# Altium PCB dcb_v2.PcbDoc (part 1 of 2) (continued)
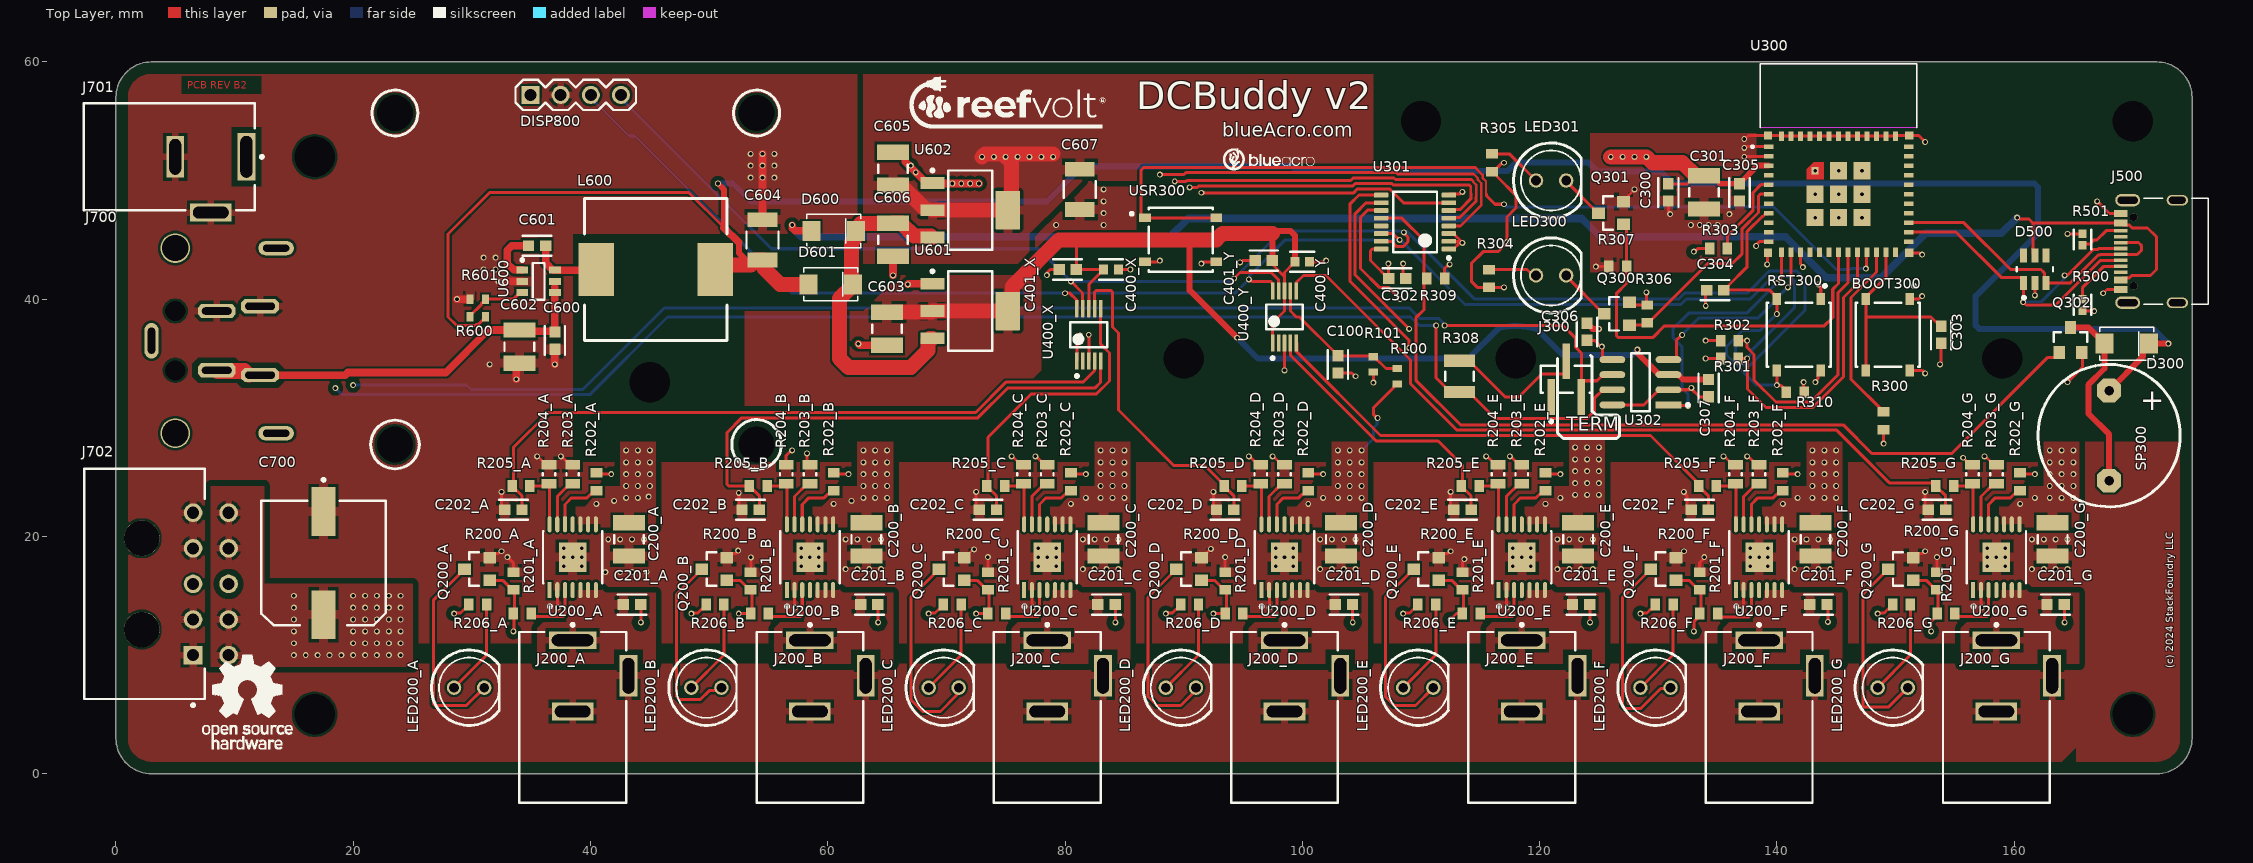
[diagram p0: Top Layer view]
## Components (designator, comment, footprint, x,y, rotation, side; value= is the part's Value field where it differs from the comment) (continued)
D601 "SS14" SMA 60.25,41.25 r180 top
DISP800 "OLED_1_3_CARRIERBOARD" OLED_1_3_CARRIERBOARD-Footprint-1 34.95,57.214 r0 top
J200_A "PJ-0XX" CUI-PJ-002A_V 38.5,8.25 r270 top (schematic designator J200)
J200_B "PJ-0XX" CUI-PJ-002A_V 58.5,8.25 r270 top (schematic designator J200)
J200_C "PJ-0XX" CUI-PJ-002A_V 78.5,8.25 r270 top (schematic designator J200)
J200_D "PJ-0XX" CUI-PJ-002A_V 98.5,8.25 r270 top (schematic designator J200)
J200_E "PJ-0XX" CUI-PJ-002A_V 118.5,8.25 r270 top (schematic designator J200)
J200_F "PJ-0XX" CUI-PJ-002A_V 138.5,8.25 r270 top (schematic designator J200)
J200_G "PJ-0XX" CUI-PJ-002A_V 158.5,8.25 r270 top (schematic designator J200)
J300 "M50-3630342R" FP-M50-3630342R-MFG 122.25,33.25 r0 top
J500 "10155435-00011LF" AMPHENOL_10155435-00011LF 173.75,44.021 r90 top
J700 "DIN4PWR" PD40S 3,36.5 r90 top
J701 "PJ-0XX" CUI-PJ-002A_V 8,52 r180 top
J702 "43045-1001" FP-43045-1001-MFG 2.535,16 r270 top
L600 "SRR1260-680M" SRR1260-680M-Footprint-1 45.5,42.5 r0 top value=110MR
LED200_A "LED_INDICATOR" LED5MM 31.04,7.25 r0 top (schematic designator LED200)
LED200_B "LED_INDICATOR" LED5MM 51.04,7.25 r0 top (schematic designator LED200)
LED200_C "LED_INDICATOR" LED5MM 71.04,7.25 r0 top (schematic designator LED200)
LED200_D "LED_INDICATOR" LED5MM 91.04,7.25 r0 top (schematic designator LED200)
LED200_E "LED_INDICATOR" LED5MM 111.04,7.25 r0 top (schematic designator LED200)
LED200_F "LED_INDICATOR" LED5MM 131.04,7.25 r0 top (schematic designator LED200)
LED200_G "LED_INDICATOR" LED5MM 151.04,7.25 r0 top (schematic designator LED200)
LED300 "LED_INDICATOR" LED5MM 122.24,42 r0 top
LED301 "LED_INDICATOR" LED5MM 122.24,50 r0 top
Q200_A "NFET" SOT23-3 30.5,17.25 r90 top (schematic designator Q200)
Q200_B "NFET" SOT23-3 50.5,17.25 r90 top (schematic designator Q200)
Q200_C "NFET" SOT23-3 70.5,17.25 r90 top (schematic designator Q200)
Q200_D "NFET" SOT23-3 90.5,17.25 r90 top (schematic designator Q200)
Q200_E "NFET" SOT23-3 110.5,17.25 r90 top (schematic designator Q200)
Q200_F "NFET" SOT23-3 130.5,17.25 r90 top (schematic designator Q200)
Q200_G "NFET" SOT23-3 150.5,17.25 r90 top (schematic designator Q200)
Q300 "NFET" SOT23-3 126.579,38.758 r90 top
Q301 "NFET" SOT23-3 126.079,47.258 r90 top
Q302 "NFET" SOT23-3 164.75,36.5 r0 top
R100 "100k 0603 1%" RESC1608-IPC-LL 108,33.5 r270 top value=100k
R101 "12k 0603 1%" RESC1608X55X25LL10T15 106,34.5 r90 top value=12kR
R200_A "10K 0603 1%" RESC1608-IPC-ML 33.5,16.25 r90 top value=10k (schematic designator R200)
R200_B "10K 0603 1%" RESC1608-IPC-ML 53.5,16.25 r90 top value=10k (schematic designator R200)
R200_C "10K 0603 1%" RESC1608-IPC-ML 73.5,16.25 r90 top value=10k (schematic designator R200)
R200_D "10K 0603 1%" RESC1608-IPC-ML 93.5,16.25 r90 top value=10k (schematic designator R200)
R200_E "10K 0603 1%" RESC1608-IPC-ML 113.5,16.25 r90 top value=10k (schematic designator R200)
R200_F "10K 0603 1%" RESC1608-IPC-ML 133.5,16.25 r90 top value=10k (schematic designator R200)
R200_G "10K 0603 1%" RESC1608-IPC-ML 153.5,16.25 r90 top value=10k (schematic designator R200)
R201_A "4.7k 0603 1%" RESC1608-IPC-ML 34.25,13.5 r0 top (schematic designator R201)
R201_B "4.7k 0603 1%" RESC1608-IPC-ML 54.25,13.5 r0 top (schematic designator R201)
R201_C "4.7k 0603 1%" RESC1608-IPC-ML 74.25,13.5 r0 top (schematic designator R201)
R201_D "4.7k 0603 1%" RESC1608-IPC-ML 94.25,13.5 r0 top (schematic designator R201)
R201_E "4.7k 0603 1%" RESC1608-IPC-ML 114.25,13.5 r0 top (schematic designator R201)
R201_F "4.7k 0603 1%" RESC1608-IPC-ML 134.25,13.5 r0 top (schematic designator R201)
R201_G "4.7k 0603 1%" RESC1608-IPC-ML 154.25,13.5 r0 top (schematic designator R201)
R202_A "4.7k 0603 1%" RESC1608-IPC-ML 40.5,24.6 r270 top (schematic designator R202)
R202_B "4.7k 0603 1%" RESC1608-IPC-ML 60.5,24.6 r270 top (schematic designator R202)
R202_C "4.7k 0603 1%" RESC1608-IPC-ML 80.5,24.6 r270 top (schematic designator R202)
R202_D "4.7k 0603 1%" RESC1608-IPC-ML 100.5,24.6 r270 top (schematic designator R202)
R202_E "4.7k 0603 1%" RESC1608-IPC-ML 120.5,24.6 r270 top (schematic designator R202)
R202_F "4.7k 0603 1%" RESC1608-IPC-ML 140.5,24.6 r270 top (schematic designator R202)
R202_G "4.7k 0603 1%" RESC1608-IPC-ML 160.5,24.6 r270 top (schematic designator R202)
R203_A "RC0805FR-07470RL" RESC2013X60X35LL10T20 38.5,25.25 r270 top value=470R (schematic designator R203)
R203_B "RC0805FR-07470RL" RESC2013X60X35LL10T20 58.5,25.25 r270 top value=470R (schematic designator R203)
R203_C "RC0805FR-07470RL" RESC2013X60X35LL10T20 78.5,25.25 r270 top value=470R (schematic designator R203)
R203_D "RC0805FR-07470RL" RESC2013X60X35LL10T20 98.5,25.25 r270 top value=470R (schematic designator R203)
R203_E "RC0805FR-07470RL" RESC2013X60X35LL10T20 118.5,25.25 r270 top value=470R (schematic designator R203)
R203_F "RC0805FR-07470RL" RESC2013X60X35LL10T20 138.5,25.25 r270 top value=470R (schematic designator R203)
R203_G "RC0805FR-07470RL" RESC2013X60X35LL10T20 158.5,25.25 r270 top value=470R (schematic designator R203)
R204_A "RC0805FR-07470RL" RESC2013X60X35LL10T20 36.5,25.25 r270 top value=470R (schematic designator R204)
R204_B "RC0805FR-07470RL" RESC2013X60X35LL10T20 56.5,25.25 r270 top value=470R (schematic designator R204)
R204_C "RC0805FR-07470RL" RESC2013X60X35LL10T20 76.5,25.25 r270 top value=470R (schematic designator R204)
R204_D "RC0805FR-07470RL" RESC2013X60X35LL10T20 96.5,25.25 r270 top value=470R (schematic designator R204)
R204_E "RC0805FR-07470RL" RESC2013X60X35LL10T20 116.5,25.25 r270 top value=470R (schematic designator R204)
R204_F "RC0805FR-07470RL" RESC2013X60X35LL10T20 136.5,25.25 r270 top value=470R (schematic designator R204)
R204_G "RC0805FR-07470RL" RESC2013X60X35LL10T20 156.5,25.25 r270 top value=470R (schematic designator R204)
R205_A "4.7k 0603 1%" RESC1608-IPC-ML 34.15,24.25 r180 top (schematic designator R205)
R205_B "4.7k 0603 1%" RESC1608-IPC-ML 54.15,24.25 r180 top (schematic designator R205)
R205_C "4.7k 0603 1%" RESC1608-IPC-ML 74.15,24.25 r180 top (schematic designator R205)
R205_D "4.7k 0603 1%" RESC1608-IPC-ML 94.15,24.25 r180 top (schematic designator R205)
R205_E "4.7k 0603 1%" RESC1608-IPC-ML 114.15,24.25 r180 top (schematic designator R205)
R205_F "4.7k 0603 1%" RESC1608-IPC-ML 134.15,24.25 r180 top (schematic designator R205)
R205_G "4.7k 0603 1%" RESC1608-IPC-ML 154.15,24.25 r180 top (schematic designator R205)
R206_A "220R 0603 5%" RESC1608-IPC-ML 30.5,14.25 r180 top value=220 (schematic designator R206)
R206_B "220R 0603 5%" RESC1608-IPC-ML 50.5,14.25 r180 top value=220 (schematic designator R206)
R206_C "220R 0603 5%" RESC1608-IPC-ML 70.5,14.25 r180 top value=220 (schematic designator R206)
R206_D "220R 0603 5%" RESC1608-IPC-ML 90.5,14.25 r180 top value=220 (schematic designator R206)
R206_E "220R 0603 5%" RESC1608-IPC-ML 110.5,14.25 r180 top value=220 (schematic designator R206)
R206_F "220R 0603 5%" RESC1608-IPC-ML 130.5,14.25 r180 top value=220 (schematic designator R206)
R206_G "220R 0603 5%" RESC1608-IPC-ML 150.5,14.25 r180 top value=220 (schematic designator R206)
R300 "10K 0603 1%" RESC1608-IPC-ML 149,29.75 r270 top value=10k
R301 "10K 0603 1%" RESC1608-IPC-ML 136,35 r180 top value=10k
R302 "10K 0603 1%" RESC1608-IPC-ML 136,36.5 r180 top value=10k
R303 "10K 0603 1%" RESC1608-IPC-ML 135.079,44.258 r180 top value=10k
R304 "220R 0603 5%" RESC1608-IPC-ML 115.75,41.75 r270 top value=220
R305 "220R 0603 5%" RESC1608-IPC-ML 116,51.5 r270 top value=220
R306 "10K 0603 1%" RESC1608-IPC-ML 129.079,38.758 r270 top value=10k
R307 "10K 0603 1%" RESC1608-IPC-ML 126.579,42.758 r0 top value=10k
R308 "120R 1210 5%" RESC3225X70X50LL20T20 113.25,33.5 r270 top value=120R
R309 "10K 0603 1%" RESC1608-IPC-ML 111.25,41.75 r180 top value=10k
R310 "10K 0603 1%" RESC1608-IPC-ML 141.56,32.153 r0 top value=10k
R500 "AC0402FR-075K1L" FP-AC0402-IPC_A 165.75,39.521 r90 top value=5.1kR
R501 "AC0402FR-075K1L" FP-AC0402-IPC_A 165.75,45.021 r270 top value=5.1kR
R600 "100k 0603 1%" RESC1608-IPC-LL 30.5,38.5 r0 top
R601 "12k 0603 1%" RESC1608X55X25LL10T15 30.5,40 r0 top value=12kR
RST300 "PTS526SK15SMTR2LFS" FP-PTS526SK15SMTR2LFS-MFG 141.85,37 r270 top
SP300 "WST-1212UX" WST-1212UX-Footprint-1 168,28.5 r0 top
U200_A "TPS1H100BQPWPRQ1" FP-PWP0014C-IPC_C 38.5,18.25 r90 top (schematic designator U200)
U200_B "TPS1H100BQPWPRQ1" FP-PWP0014C-IPC_C 58.5,18.25 r90 top (schematic designator U200)
U200_C "TPS1H100BQPWPRQ1" FP-PWP0014C-IPC_C 78.5,18.25 r90 top (schematic designator U200)
U200_D "TPS1H100BQPWPRQ1" FP-PWP0014C-IPC_C 98.5,18.25 r90 top (schematic designator U200)
U200_E "TPS1H100BQPWPRQ1" FP-PWP0014C-IPC_C 118.5,18.25 r90 top (schematic designator U200)
U200_F "TPS1H100BQPWPRQ1" FP-PWP0014C-IPC_C 138.5,18.25 r90 top (schematic designator U200)
U200_G "TPS1H100BQPWPRQ1" FP-PWP0014C-IPC_C 158.5,18.25 r90 top (schematic designator U200)
U300 "ESP32-C3-MINI-1-N4" XCVR_ESP32-C3-MINI-1-N4 145.2,51.55 r0 top
U301 "PCA9554APW" PW0016A_L 109.5,46.5 r180 top
U302 "TCAN1044VDRQ1" FP-D0008A-IPC_B 128.5,33 r180 top
U400_X "ADS1115IDGSR" FP-DGS0010A-MFG 82,37 r90 top (schematic designator U400)
U400_Y "ADS1115IDGSR" FP-DGS0010A-MFG 98.5,38.5 r90 top (schematic designator U400)
U600 "LMR51610XFDBVR" SOT95P280X145-6N 35.625,41.5 r0 top
U601 "LM1117MPX-5.0" DCY0004A_M 72,39 r0 top
U602 "LM1117IMP-3.3/NOPB" DCY0004A_M 72,47.5 r0 top
USR300 "PTS526SK15SMTR2LFS" FP-PTS526SK15SMTR2LFS-MFG 89.75,45 r0 top

## Footprints (in the part's own frame and the unit in brackets; to place one, negate y for a bottom-side part, rotate by r counter-clockwise, add the part's x,y. Pads: shape width x height; smd on the part's side, far side on the other; paste and mask are expansions set on the pad)
AMPHENOL_10155435-00011LF [mm]
  rect 0.6x1.14 smd: A1_B12(-3.2,4.75) A4_B9(-2.4,4.75) B1_A12(3.2,4.75) B4_A9(2.4,4.75)
  rect 0.3x1.14 smd: A5(-1.25,4.75) A6(-0.25,4.75) A7(0.25,4.75) A8(1.25,4.75) B5(1.75,4.75) B6(0.75,4.75) B7(-0.75,4.75) B8(-1.75,4.75)
  oval 1.05x2.1 hole 0.6 slot 1.7 at 90 deg: SH1(-4.32,4.18) SH2(4.32,4.18)
  oval 0.9x1.8 hole 0.6 slot 1.4 at 90 deg: SH3(-4.32,0) SH4(4.32,0)
  round 0.65 hole 0.65 unplated: ""(-2.89,3.68) ""(2.89,3.68)
  silkscreen extent -4.47,-2.6 4.47,2.81, body extent -4.47,-2.6 4.47,5, height 3.26
CAPC3225X20N [mm] "Chip Capacitor, 2-Leads, Body 3.20x2.50mm, IPC Medium Density"
  rect 1.3x2.7 smd: 1(-1.4,0) 2(1.4,0)
  silkscreen extent -0.35,-1.25 0.35,1.25, body extent -1.7,-1.35 1.7,1.35, height 2
CUI-PJ-002A_V [mm] "THD, 3-Leads, Body 14.4x9mm, Height 11mm"
  rect 1.5x4 hole 1 slot 3.5 at 90 deg: 1(-3,0)
  rect 1.5x3.5 hole 1 slot 3 at 90 deg: 2(3,0)
  rect 3.5x1.5 hole 1 slot 3 at 0 deg: 3(0,4.7)
  silkscreen extent -4.42,-4.5 10.7,4.5, body extent -3.7,-4.5 10.7,4.9, height 11
DCY0004A_M [mm] "SOT223, 4-Leads, Body 6.7x3.7mm, Pitch 2.3mm, IPC Low Density"
  rrect10% 2.05x1 smd: 1(-3.175,2.3) 2(-3.175,0) 3(-3.175,-2.3)
  rrect5% 2.05x3.25 smd: 4(3.175,0)
  silkscreen extent -3.3,-3.35 1.85,3.47, body extent -3.5,-3.25 3.5,3.25, height 1.62
FP-1210-L_3_2_0_3-W_2_5_0-MFG [mm]
  rect 1.25x2.5 smd paste+0 mask+0: 1(-1.7,0) 2(1.7,0)
  silkscreen extent -0.7,-1.35 0.7,1.35, body extent -2.42,-1.45 2.42,1.45, height 0.25
FP-43045-1001-MFG [mm]
  rect 1.57x1.57 hole 1.02 paste-2539.97 mask+0: 1(6,3.965)
  round 1.57 hole 1.02 paste-2539.97 mask+0: 2(3,3.965) 3(0,3.965) 4(-3,3.965) 5(-6,3.965) 6(6,6.965) 7(3,6.965) 8(0,6.965) 9(-3,6.965) 10(-6,6.965)
  round 3 hole 3 unplated paste-2539.97 mask+0: ""(-3.85,-0.355) ""(3.85,-0.355)
  silkscreen extent -9.7,-5.21 10.35,4.95, body extent -9.8,-5.31 9.8,7.85, height 0.25
FP-AC0402-IPC_A [mm]
  rect 0.715x0.672 smd paste+0 mask+0: 1(-0.479,0) 2(0.479,0)
  silkscreen extent -0.84,-0.74 0.84,0.74, body extent -1.04,-0.54 1.04,0.54, height 0.25
FP-CL10-IPC_B [mm]
  rect 0.958x0.912 smd paste+0 mask+0: 1(-0.727,0) 2(0.727,0)
  silkscreen extent -1.21,-0.86 1.21,0.86, body extent -1.46,-0.71 1.46,0.71, height 0.25
FP-CL10-IPC_C [mm]
  rect 0.758x0.812 smd paste+0 mask+0: 1(-0.627,0) 2(0.627,0)
  silkscreen extent -1.01,-0.85 1.01,0.85, body extent -1.11,-0.55 1.11,0.55, height 0.25
FP-D0008A-IPC_B [mm]
  rect 2.169x0.582 smd paste+0 mask+0: 1(-2.364,1.905)
  rrect100% 2.169x0.582 smd paste+0 mask+0: 2(-2.364,0.635) 3(-2.364,-0.635) 4(-2.364,-1.905) 5(2.364,-1.905) 6(2.364,-0.635) 7(2.364,0.635) 8(2.364,1.905)
  silkscreen extent -4.12,-2.45 0.78,2.45, body extent -3.7,-2.7 3.7,2.7, height 0.25
FP-DGS0010A-MFG [mm]
  rrect33% 1.45x0.3 smd paste+0 mask+0: 1(-2.2,1) 2(-2.2,0.5) 3(-2.2,0) 4(-2.2,-0.5) 5(-2.2,-1) 6(2.2,-1) 7(2.2,-0.5) 8(2.2,0) 9(2.2,0.5) 10(2.2,1)
  silkscreen extent -3.6,-1.55 1.05,1.55, body extent -3.03,-1.8 3.03,1.8, height 0.25
FP-FKG-MFG [mm]
  rect 4.1x2 smd paste+0 mask+0: 1(-4.35,0) 2(4.35,0)
  silkscreen extent -7.15,-5.25 5.25,5.25, body extent -6.5,-5.35 6.5,5.35, height 0.25
FP-M50-3630342R-MFG [mm]
  rect 0.65x3 smd paste+0 mask+0: 1(-1.27,-1.5) 2(0,1.5) 3(1.27,-1.5)
  silkscreen extent -2.15,-3.67 2.15,1.15, body extent -2.25,-3.1 2.25,3.1, height 0.25
FP-PTS526SK15SMTR2LFS-MFG [mm]
  rect 1x0.7 smd paste+0 mask+0: 1(-3,1.85) 2(3,1.85) 3(-3,-1.85) 4(3,-1.85)
  silkscreen extent -4.25,-2.7 2.7,2.7, body extent -3.6,-2.8 3.6,2.8, height 0.25
FP-PWP0014C-IPC_C [mm]
  rect 1.355x0.341 smd paste+0 mask+0: 1(-2.775,1.95)
  rrect100% 1.355x0.341 smd paste+0 mask+0: 2(-2.775,1.3) 3(-2.775,0.65) 4(-2.775,0) 5(-2.775,-0.65) 6(-2.775,-1.3) 7(-2.775,-1.95) 8(2.775,-1.95) 9(2.775,-1.3) 10(2.775,-0.65) 11(2.775,0) 12(2.775,0.65) 13(2.775,1.3) 14(2.775,1.95)
  rect 2.46x2.31 smd paste-1000 mask+0: 15(0,0)
  silkscreen extent -4.28,-2.5 2.2,2.5, body extent -3.55,-2.6 3.55,2.6, height 0.25
FP-SOT23-6L-MFG [mm]
  rect 1.2x0.6 smd paste+0 mask+0: 1(-1.15,0.95) 2(-1.15,0) 3(-1.15,-0.95) 4(1.15,-0.95) 5(1.15,0) 6(1.15,0.95)
  silkscreen extent -2.52,-1.53 0.18,1.53, body extent -1.85,-1.63 1.85,1.63, height 0.25
LED5MM [mil]
  round 48 hole 32: A(-100,0) C(0,0)
  silkscreen extent -175,-125 50,125, body extent -172,-114 44,122, height 335
OLED_1_3_CARRIERBOARD-Footprint-1 [mil]
  rect 60x60 hole 40: 1(0,0)
  round 60 hole 40: 2(100,0) 3(200,0) 4(300,0)
  round 0 hole 120 unplated paste-99999: ""(-450,-1160) ""(-450,-60) ""(750,-1160) ""(750,-60)
  silkscreen extent -531,-1242 832,50, body extent -552,-1263 852,60, height 563
PD40S [mm]
  oct 1.2x3.2 hole 0.6 slot 2.5 at 90 deg: 1(2.9,-9.15) 2(-2.9,-9.15) 3(2.5,-5.5) 4(-2.5,-5.5)
  oval 1.2x3 hole 0.6 slot 2.2 at 90 deg: SHLD(-7.8,-10.5) SHLD(7.8,-10.5)
  oval 3x1.2 hole 0.6 slot 2.2 at 0 deg: SHLD(0,0)
  round 2.5 hole 2.2 unplated: ""(-7.8,-2) ""(7.8,-2)
  round 0 hole 1.7 unplated: ""(-2.5,-2) ""(2.5,-2)
  body extent -7.9,-11.8 8.1,5.6, height 15.01
PW0016A_L [mm] "SOP, 16-Leads, Body 5.1x4.5mm, Pitch 0.65mm, IPC High Density"
  rrect25% 1.2x0.4 smd: 1(-2.85,2.275) 2(-2.85,1.625) 3(-2.85,0.975) 4(-2.85,0.325) 5(-2.85,-0.325) 6(-2.85,-0.975) 7(-2.85,-1.625) 8(-2.85,-2.275) 9(2.85,-2.275) 10(2.85,-1.625) 11(2.85,-0.975) 12(2.85,-0.325) 13(2.85,0.325) 14(2.85,0.975) 15(2.85,1.625) 16(2.85,2.275)
  silkscreen extent -2.98,-2.55 1.85,3.15, body extent -3.21,-2.5 3.21,2.5, height 1
RESC1608-IPC-LL [mm] "Chip Resistor, 2-Leads, Body 1.60x0.80mm, IPC High Density"
  rect 0.6x0.8 smd: 1(-0.65,0) 2(0.65,0)
  body extent -0.8,-0.4 0.8,0.4, height 0.45
RESC1608-IPC-ML [mm] "Chip Resistor, 2-Leads, Body 1.60x0.80mm, IPC Low Density"
  rect 0.8x1 smd: 1(-0.75,0) 2(0.75,0)
  body extent -0.8,-0.4 0.8,0.4, height 0.45
RESC1608X55X25LL10T15 [mm] "Chip Resistor, 2-Leads, Body 1.70x0.90mm, IPC High Density"
  rect 0.6x0.8 smd: 1(-0.65,0) 2(0.65,0)
  body extent -0.85,-0.45 0.85,0.45, height 0.55
RESC2013X60X35LL10T20 [mm] "Chip Resistor, 2-Leads, Body 2.1x1.35mm, IPC High Density"
  rect 0.8x1.25 smd: 1(-0.8,0) 2(0.8,0)
  silkscreen extent -0.1,-0.53 0.1,0.53, body extent -1.05,-0.67 1.05,0.68, height 0.6
RESC3225X70X50LL20T20 [mm] "Chip Resistor, 2-Leads, Body 3.20x2.50mm, IPC High Density"
  rect 1.05x2.6 smd: 1(-1.325,0) 2(1.325,0)
  silkscreen extent -0.4,-1.2 0.4,1.2, body extent -1.7,-1.35 1.7,1.35, height 0.7
SMA [mil]
  rect 60x66 smd: A(74,0) K(-74,0)
  silkscreen extent -90,-55 90,55, body extent -108,-55 108,55, height 91
SOT23-3 [mil]
  rect 38x42 smd: 1(-37.4,-39.37) 2(38,-39.37) 3(0,44)
  silkscreen extent -55,-4 56,28, body extent -57,-50 57,60, height 51
SOT95P280X145-6N [mm] "SOT23, 6-Leads, Body 2.90x2.80mm, Pitch 0.95mm, IPC Medium Density"
  rect 1x0.6 smd: 1(-1.375,0.95) 2(-1.375,0) 3(-1.375,-0.95) 4(1.375,-0.95) 5(1.375,0) 6(1.375,0.95)
  silkscreen extent -1.5,-1.55 0.5,1.92, body extent -1.5,-1.53 1.5,1.53, height 1.45
SRR1260-680M-Footprint-1 [mm]
  rect 3x4.5 smd: 1(-5,0) 2(5,0)
  silkscreen extent -6,-6 6,6, body extent -6.25,-6.25 6.25,6.25, height 6.01
WST-1212UX-Footprint-1 [mm]
  oct 2x2 hole 0.8: +(0,3.8) -(0,-3.8)
  silkscreen extent -6,-6 6,6, body extent -5.98,-6 6,6, height 7.51
XCVR_ESP32-C3-MINI-1-N4 [mm]
  rect 0.8x0.4 smd: 1(-5.9,1.3) 2(-5.9,0.5) 3(-5.9,-0.3) 4(-5.9,-1.1) 5(-5.9,-1.9) 6(-5.9,-2.7) 7(-5.9,-3.5) 8(-5.9,-4.3) 9(-5.9,-5.1) 10(-5.9,-5.9) 11(-5.9,-6.7) 25(5.9,-6.7) 26(5.9,-5.9) 27(5.9,-5.1) 28(5.9,-4.3) 29(5.9,-3.5) 30(5.9,-2.7) 31(5.9,-1.9) 32(5.9,-1.1) 33(5.9,-0.3) 34(5.9,0.5) 35(5.9,1.3)
  rect 0.4x0.8 smd: 12(-4.8,-7.6) 13(-4,-7.6) 14(-3.2,-7.6) 15(-2.4,-7.6) 16(-1.6,-7.6) 17(-0.8,-7.6) 18(0,-7.6) 19(0.8,-7.6) 20(1.6,-7.6) 21(2.4,-7.6) 22(3.2,-7.6) 23(4,-7.6) 24(4.8,-7.6) 36(4.8,2.2) 37(4,2.2) 38(3.2,2.2) 39(2.4,2.2) 40(1.6,2.2) 41(0.8,2.2) 42(0,2.2) 43(-0.8,2.2) 44(-1.6,2.2) 45(-2.4,2.2) 46(-3.2,2.2) 47(-4,2.2) 48(-4.8,2.2)
  rect 0.6x0.6 smd paste-1 mask+0: 49_1(-1.975,-0.725)
  rect 1.45x1.45 smd: 49_2(0,-0.725) 49_3(1.975,-0.725) 49_4(1.975,-2.7) 49_5(1.975,-4.675) 49_6(0,-4.675) 49_7(-1.975,-4.675) 49_8(-1.975,-2.7) 49_9(0,-2.7)
  rect 0.7x0.7 smd: 50(5.95,2.25) 51(5.95,-7.65) 52(-5.95,-7.65) 53(-5.95,2.25)
  Top Layer region: -1.25,-1.45 -2.7,-1.45 -2.7,-0.6 -2.1,0 -1.25,0
  Keep-Out Layer region: 6.6,2.9 -6.6,2.9 -6.6,8.3 6.6,8.3
  Keep-Out Layer region: 6.6,2.9 -6.6,2.9 -6.6,8.3 6.6,8.3
  silkscreen extent -7.35,1.2 6.6,8.3, body extent -6.6,-8.3 6.6,8.3, height 2.55

## Part data
BOOT300 RST300 USR300: library part CMP-011-00015-1, "Switch Tactile N.O. SPST Round Button Gull Wing 0.05A 12VDC 200000Cycles 2.45N SMD T/R", Contact Current Rating=50mA, Contact Resistance=100mR, Max Operating Temperature=70°C, Min Operating Temperature=-20°C, Operating Force=260gf, Ratings=IP40, Voltage Rating (DC)=12V, Actuator Type=Standard, Height=1.65mm, Illumination Type=Non-Illuminated, Mechanical Life=200000Cycles, Mounting Technology="Surface Mount", Number of Positions=2, Series=PTS526, Switch Function=Off-Mom, Switch Travel=0.25mm, Termination="Gull Wing", Throw Configuration=SPST
C100 C302 C304: library part CMP-001-00085-7, "Cap Ceramic 1uF 10V X7R 10% SMD 0603 125C Paper T/R"
C200_A C200_B C200_C C200_D C200_E C200_F C200_G C301 C602 C603 C605 C606: library part CMP-001-00083-3, "CAP CER 4.7UF 50V X7R 1210", Capacitance=4.7uF, Case Code (Imperial)=1210, Case Code (Metric)=3225, Dielectric=X7R, Max Operating Temperature=125°C, Min Operating Temperature=-55°C, Package Quantity=1, Tolerance=10%, Voltage=50V, Case/Package=1210, Contact Plating=Tin, Depth=2.5mm, Height=1.8mm, Lead Free="Lead Free", Length=3.2mm, Material=Ceramic, Mount="Surface Mount", Packaging="Tape and Reel", Radiation Hardening=No, Thickness=0.079inch, Voltage Rating=50V, Width=0.098inch
C201_A C201_B C201_C C201_D C201_E C201_F C201_G C202_A C202_B C202_C C202_D C202_E C202_F C202_G C300 C303 C305 C306 C307 C401_X C401_Y C600 C601: library part CMP-001-00084-7, "Cap Ceramic 0.1uF 50V X7R 20% SMD 0603 125C Paper T/R", Voltage=50V
C400_X C400_Y: library part CMP-001-00101-4, "Cap Ceramic 4.7uF 6.3V X7R 10% SMD 0603 125°C Paper T/R"
C604 C607: library part CMP-001-00125-1, "1210 22 uF 25 V ±20% Tolerance X7R Multilayer Ceramic Chip Capacitor", Case Code (Imperial)=1210, Case Code (Metric)=3225, Max Operating Temperature=125°C, Min Operating Temperature=-55°C, Tolerance=20%, Voltage Rating=25V, Case/Package=1210, Mounting Technology="Surface Mount", Packaging="Tape and Reel", RoHS Compliant=Yes, Series=M
C700: library part CMP-001-00124-1, "Cap Aluminum 56uF 63V 20% (10 X 10.2mm) SMD 0.03 Ohm 1800mA 5000h 105 C Embossed T/R", Case/Package=Radial, ESR (Equivalent Series Resistance)=30mR, Leakage Current=3uA, Max Operating Temperature=105°C, Min Operating Temperature=-55°C, Package Quantity=500, Ratings=AEC-Q200, Ripple Current=1.8A, Tolerance=20%, Voltage=63V, Construction=Cylindrical, Diameter=10mm, Height=10.2mm, Lead Diameter=0.9mm, Lead Free="Lead Free", Lead Pitch=4.6mm, Length=10.2mm, Life (Hours)=5000Hour, Material=Polymer, Mounting Technology="Surface Mount,PCB", Packaging="Tape and Reel", Radiation Hardening=No, Reach SVHC Compliant=No, Ripple Current (AC)=1.8A, RoHS Compliant=Yes, Series=ZA, Technology=HYBRID, Termination=SMD/SMT, Voltage Rating=63V, Voltage Rating (DC)=63V
D300 D600 D601: library part CMP-080-0002-2, Design Item ID=DIODE_SCHOTTKY, Source=diode.SCHLIB
D500: library part CMP-004-00040-1, "ESD Suppressor 15KV 6-Pin SOT-23 T/R - Product that comes on tape, but is not reeled", Breakdown Voltage=6V, Case/Package=SOT-23, Clamping Voltage=17V, Leakage Current=150nA, Max Breakdown Voltage=10V, Max Operating Temperature=125°C, Max Reverse Leakage Current=2uA, Min Operating Temperature=-40°C, Operating Supply Voltage=860mV, Peak Pulse Current=5A, Power Line Protection=Yes, Reverse Standoff Voltage=5V, Test Current=1mA, Clamping Voltage-Max=17V, Depth=1.75mm, Direction=Unidirectional, ESD Protection=Yes, Height=1.3mm, Lead Free="Lead Free", Length=3.05mm, Min Breakdown Voltage=6V, Mounting Technology="Surface Mount", Number of Channels=4, Number of Elements=1, Number of Unidirectional Channels=4, Packaging="Tape and Reel", Pins=6, Polarity=Unidirectional,Bidirectional, Radiation Hardening=No, Reach SVHC Compliant=No, Reverse Breakdown Voltage=6V, RoHS Compliant=Yes, Series=USB, Termination=SMD/SMT, Voltage Rating (DC)=5V, Width=1.75mm, Working Voltage=5V
DISP800: library part CMP-00028-00008-2, "Use 4 pin header 0901471104 on board"
J200_A J200_B J200_C J200_D J200_E J200_F J200_G J701: library part CMP-167-0003-2, "2.0 x 6.5 mm, 2.5 A, Horizontal, Through Hole, Dc Power Jack Connector", Design Item ID=PJ-0XX, Source=con-jack.SCHLIB
J300: library part CMP-002-00105-2, "3 Pos. Male SIL Vertical SMT Conn. RoHS Compliant: Yes", Current Rating=1A, Flammability Rating="UL94 V-0", Insulation Color=Black, Max Operating Temperature=105°C, Min Operating Temperature=-40°C, Connector Type=Header, Contact Finish - Mating=GOLD, Contact Material=Brass, Contact Shape=Square, Contact Type="Male Pin", Fastening Type=Pull, Insulation Material=Nylon, Mounting Technology="Surface Mount", Number of Positions=3, Number of Rows=1, Packaging="Cut Tape", RoHS Compliant=Yes, Series="Archer M50", Termination=Solder
J500: library part CMP-243-000000-3, "16 Position 5 A USB Right Angle Receptacle Connector", Package=None, Availability=Unavailable, Component Type=Standard, Design Item ID=10155435-00011LF, MF="Amphenol ICC (FCI)", MP=10155435-00011LF, Pin Count=16, Price=None, Source=10155435-00011LF.SchLib
J700: library part CMP-167-0005-1, Design Item ID=DIN4PWR, Source=con-jack.SCHLIB
J702: library part CMP-002-00106-1, "Connector Wire to Board Header 10 Position 3 mm Solder Right Angle Thru-Hole Micro-Fit 3.0™", Case/Package=SMC, Color=Black, Current Rating=5A, Flammability Rating="UL94 V-0", Insulation Resistance=1GR, Manufacturer Series=43045, Package Quantity=1224, Voltage Rating=600V, Voltage Rating (DC)=250V, Connector Type=Plug, Contact Material=Brass, Contact Plating=Gold, DIN Conformance=No, Gender=Male, Glow Wire Compliant=Compliant, Halogen Free="Low Halogen", Housing Material=Thermoplastic, IEC Conformance=No, MIL Conformance=No, Number of Circuits=10, Number of Contacts=10, Number of Positions=10, Number of Rows=2, Option="General Purpose", Orientation="Right Angle", Packaging=Tray, Pitch=3mm, Plating=Tin, Radiation Hardening=No, Reach SVHC Compliant=No, RoHS Compliant=Yes, Row Spacing=3mm, Series="Micro-Fit 3.0", Termination="Through Hole"
L600: library part CMP-006-00034-1, "Ind Power Shielded Wirewound 68uH 20% 100KHz 22Q-Factor Ferrite 2.1A T/R", Case/Package=1260, Current Rating=2.1A, DC Resistance (DCR)=110mR, Frequency=7.43MHz, Inductance Tolerance=20%, Max Operating Temperature=125°C, Min Operating Temperature=-40°C, Package Quantity=600, Test Frequency=100kHz, Core Material=Ferrite, DC Current=2.1A, Depth=12.8mm, Height=6mm, Height - Seated (Max)=0.256inch, Length=12.5mm, Material=Steel, Max DC Current=2.1A, Military Standard=Not, Mounting Technology="Surface Mount", Packaging="Tape and Reel", Pins=2, Q Factor=22, Reach SVHC Compliant=No, RMS Current (Irms)=2.1A, RoHS Compliant=Yes, Sample Rate (Hz)=100kHz, Saturation Current=2.1A, Self Resonant Frequency=7.43MHz, Series=SRR1260, Shielding=Shielded, Termination=SMD/SMT, Tolerance=20%, Width=12.5mm
LED200_A LED200_B LED200_C LED200_D LED200_E LED200_F LED200_G LED300 LED301: library part CMP-130-0003-6, Design Item ID=LED_INDICATOR, Source=led.SchLib
Q200_A Q200_B Q200_C Q200_D Q200_E Q200_F Q200_G Q300 Q301 Q302: library part CMP-094-0000-1, Design Item ID=NFET, Source=fet.SchLib
R100: library part CMP-009-00222-1, "SMD Chip Resistor, 100 kOhm, ± 1%, 100 mW, 0603 [1608 Metric], Thick Film, General Purpose", Case Code (Imperial)=0603, Case Code (Metric)=1608, Resistance Tolerance=1%, Voltage Rating=50V, Case/Package=0603, Height=0.45mm, Tolerance=1%, Width=0.8mm
R101 R601: library part CMP-009-00236-1, "SMD Chip Resistor, 12 kOhm, ± 1%, 100 mW, 0603 [1608 Metric], Thick Film, General Purpose", Case Code (Imperial)=0603, Case Code (Metric)=1608, Max Operating Temperature=155°C, Max Power Dissipation=100mW, Min Operating Temperature=-55°C, Resistance Tolerance=1%, Resistor Type="Thick Film", Temperature Coefficient=100ppm/°C, Voltage Rating=50V, Case/Package=0603, Construction=Rectangular, Depth=0.8mm, Features="Moisture Resistant", Lead Free="Lead Free", Length=1.6mm, Military Standard=Not, Number of Terminations=2, Packaging="Tape and Reel", Pins=2, Power Rating=100mW, Reach SVHC Compliant=No, RoHS Compliant=Yes, Series=RC, Termination=SMD/SMT, Tolerance=1%, Voltage Rating (DC)=50V, Width=0.8mm
R200_A R200_B R200_C R200_D R200_E R200_F R200_G R300 R301 R302 R303 R306 R307 R309 R310: library part CMP-009-00191-4, "Res General Purpose Thick Film 0603 10K Ohm 1% 1/10W ±100ppm/°C Molded SMD Paper T/R"
R201_A R201_B R201_C R201_D R201_E R201_F R201_G R202_A R202_B R202_C R202_D R202_E R202_F R202_G R205_A R205_B R205_C R205_D R205_E R205_F R205_G: library part CMP-009-00205-1, "RES SMD 4.7K OHM 1% 1/10W 0603"
R203_A R203_B R203_C R203_D R203_E R203_F R203_G R204_A R204_B R204_C R204_D R204_E R204_F R204_G: library part CMP-009-00233-1, "SMD Chip Resistor, 470 Ohm, ± 1%, 125 mW, 0805 [2012 Metric], Thick Film, General Purpose", Case Code (Imperial)=0805, Case Code (Metric)=2012, Max Operating Temperature=155°C, Max Power Dissipation=125mW, Min Operating Temperature=-55°C, Package Quantity=5000, Resistance Tolerance=1%, Resistor Type="Thick Film", Temperature Coefficient=100ppm/°C, Voltage Rating=150V, Case/Package=0805, Construction=Rectangular, Depth=1.25mm, Features="Moisture Resistant", Height=0.5mm, Lead Free="Lead Free", Lead Pitch=0.4mm, Length=2mm, Number of Terminations=2, Packaging="Tape and Reel", Pins=2, Power Rating=125mW, Reach SVHC Compliant=Unknown, RoHS Compliant=Yes, Series=RC, Termination=SMD/SMT, Tolerance=1%, Voltage Rating (AC)=150V, Voltage Rating (DC)=150V, Width=1.25mm
R206_A R206_B R206_C R206_D R206_E R206_F R206_G R304 R305: library part CMP-009-00183-3, "YAGEO - RC0603JR-07220RL - SMD Chip Resistor, 0603 [1608 Metric], 220 ohm, RC Series, 75 V, Thick Film, 100 mW", Case Code (Imperial)=0603, Case Code (Metric)=1608, Max Operating Temperature=155°C, Min Operating Temperature=-55°C, Power Rating=100mW, Resistance=220R, Resistor Type="Thick Film", Temperature Coefficient=100ppm/°C, Tolerance=5%, Voltage Rating=50V, Working Voltage=75V, Case/Package=0603, Depth=0.8mm, Lead Free="Lead Free", Length=1.6mm, Military Standard=Not, Number of Pins=2, Number of Terminations=2, Packaging="Tape and Reel", REACH SVHC="No SVHC", Termination=SMD/SMT, Voltage Rating (DC)=50V, Width=0.8mm
R308: library part CMP-009-00240-1, "SMD Chip Resistor, 120 Ohm, ± 5%, 500 mW, 1210 [3225 Metric], Thick Film, General Purpose", Case Code (Imperial)=1210, Case Code (Metric)=3225, Max Operating Temperature=155°C, Max Power Dissipation=500mW, Min Operating Temperature=-55°C, Package Quantity=1, Resistance Tolerance=5%, Resistor Type="Thick Film", Temperature Coefficient=200ppm/°C, Voltage Rating=200V, Case/Package=1210, Construction=Rectangular, Contact Plating=Tin, Depth=2.5mm, Features="Automotive AEC-Q200", Height=0.6mm, Length=3.2mm, Military Standard=Not, Mounting Technology="Surface Mount", Number of Terminations=2, Packaging="Tape and Reel", Power Rating=500mW, Radiation Hardening=No, Reach SVHC Compliant=No, RoHS Compliant=Yes, Series=ERJ, Technology="THICK FILM", Termination=SMD/SMT, Tolerance=5%, Voltage Rating (DC)=200V, Width=2.5mm
R500 R501: library part CMP-009-00234-1, "SMD Chip Resistor, 5.1 kOhm, ± 1%, 63 mW, 0402 [1005 Metric], Thick Film, General Purpose", Case Code (Imperial)=0402, Case Code (Metric)=1005, Max Operating Temperature=155°C, Max Power Dissipation=63mW, Min Operating Temperature=-55°C, Temperature Coefficient=100ppm/°C, Tolerance=1%, Voltage Rating=50V, Case/Package=0402, Features="Moisture Resistant,Automotive AEC-Q200", Height=0.015inch, Lead Free="Lead Free", Length=0.039inch, Mounting Technology="Surface Mount", Number of Terminations=2, Packaging="Cut Tape", Power Rating=63mW, RoHS Compliant=Yes, Series=AC, Width=0.02inch
R600: library part CMP-009-00203-1, "Res Thick Film 1.6 x 0.8 mm 100K Ohm 1% 0.1W(1/10W) 100ppm/ C Molded SMD Paper T/R"
SP300: library part CMP-00027-00003-3, "Audio Magnetic Xdcr 9-15V Th", Frequency=2.3kHz, Max Operating Temperature=60°C, Min Operating Temperature=-20°C, Mounting Technology="Through Hole"
U200_A U200_B U200_C U200_D U200_E U200_F U200_G: library part CMP-024-00009-1, "Current Limit SW 1-IN 1-OUT 5V to 40V 4A Automotive 14-Pin HTSSOP EP T/R", Case/Package=HTSSOP, Max Operating Temperature=125°C, Max Output current=4A, Max Supply Voltage=40V, Min Operating Temperature=-40°C, Min Supply Voltage=3.5V, Fault Protection="Over Temperature", Height=1.2mm, Interface=On/Off, Lead Free="Lead Free", Length=5mm, Number of Channels=1, Number of Outputs=1, Output Configuration="High Side", Packaging="Cut Tape", Pins=14, RoHS Compliant=Yes, Series="Automotive, AEC-Q100", Thickness=1mm, Width=4.4mm
U300: library part CMP-206-000000-1, "Bluetooth, WiFi 802.11b/g/n, Bluetooth v5.0 Transceiver Module 2.412GHz ~ 2.484GHz PCB Trace Surface Mount", Package="SMD-53 Espressif Systems", Availability="In Stock", Check_prices=https://www.snapeda.com/parts/ESP32-C3-MINI-1-N4/Espressif+Systems/view-part/?ref=eda, Component Type=Standard, Design Item ID=ESP32-C3-MINI-1-N4, MF="Espressif Systems", MP=ESP32-C3-MINI-1-N4, Pin Count=61, Price=None, Purchase-URL=https://pricing.snapeda.com/search/part/ESP32-C3-MINI-1-N4/?ref=eda, SnapEDA_Link=https://www.snapeda.com/parts/ESP32-C3-MINI-1-N4/Espressif+Systems/view-part/?ref=snap, Source=ESP32-C3-MINI-1-N4.SchLib
U301: library part CMP-015-00016-1, "I2C/SMBus Interface 100kHz/400kHz 5.5V 16-Pin TSSOP Tube / IC I/O EXPANDER I2C 8B 16TSSOP", Case/Package=TSSOP, Clock Frequency=400kHz, Max Operating Temperature=85°C, Min Operating Temperature=-40°C, Operating Supply Current=104uA, Operating Supply Voltage=5.5V, Frequency=400kHz, Height=1.2mm, Lead Free="Lead Free", Length=5mm, Number of I/Os=8, Number of Outputs=8, Output Type=PUSH-PULL, Packaging=Rail/Tube, Pins=16, Radiation Hardening=No, RoHS Compliant=Yes, Series=-, Thickness=1mm, Weight=0.002183oz, Width=4.4mm
U302: library part CMP-015-00017-1, "R-PDSO-G8 TCAN1044 Tape & Reel (TR) CAN interface transceiver 100mV 4.905mm 5Mbps -40C~125C TA", Case/Package=SOIC, Max Operating Temperature=125°C, Max Supply Voltage=5.5V, Min Operating Temperature=-40°C, Min Supply Voltage=4.5V, Data Rate=5Mbps, Height=1.75mm, Interface=CAN, Length=4.9mm, Mounting Technology="Surface Mount", Pins=8, Receiver Hysteresis=100mV, RoHS Compliant=Yes, Series="Automotive, AEC-Q100", Thickness=1.58mm, Width=3.91mm
U400_X U400_Y: library part CMP-015-00014-1, "4-Channel Single ADC Delta-Sigma 860sps 16-bit Serial 10-Pin VSSOP T/R", Case/Package=VSSOP, Max Operating Temperature=125°C, Max Supply Voltage=5.5V, Min Operating Temperature=-40°C, Min Supply Voltage=2V, Nominal Supply Current=150uA, Package Quantity=2500, Power Dissipation=900uW, Contact Plating=Gold, Conversion Rate=0.86KS/s, Height=1.07mm, Integral Nonlinearity (INL)=1LSB, Interface=I2C, Lead Free="Lead Free", Length=3mm, Max Supply Voltage (DC)=5.5V, Min Supply Voltage (DC)=2V, Number of A/D Converters=1, Number of Bits=16, Number of Channels=2, Number of Converters=1, Number of Inputs=4, Packaging="Tape and Reel", Pins=10, Polarity=Bipolar, Reach SVHC Compliant=No, Resolution=16b, RoHS Compliant=Yes, Sampling Rate=860S/s, Series=-, Supply Type=Single, Thickness=1.02mm, Width=3mm
U600: library part CMP-019-00077-1, "SIMPLE SWITCHER® power converter with 4.5V-to-65V 1A synchronous buck and 25µA quiescent current 6-SOT-23 -40 to 150"
U601: library part CMP-019-00078-1, "LDO Regulator Pos 5V 0.8A 4-Pin(3+Tab) SOT-223 T/R", Case/Package=SOT-223, Current Rating=800A, Dropout Voltage=1.2V, Max Operating Temperature=125°C, Max Output current=800mA, Max Output Voltage=5V, Max Supply Current=10mA, Max Supply Voltage=15V, Min Input Voltage=2.6V, Min Operating Temperature=0°C, Min Supply Voltage=6.5V, Output Voltage Accuracy=1%, Power Supply Rejection Ratio (PSRR)=75dB, Accuracy=1%, Lead Free="Contains Lead", Mounting Technology="Surface Mount", Number of Outputs=1, Number of Regulators=1, Output Configuration=Positive, Output Current=800mA, Output Type=Fixed, Output Voltage=5V, Packaging="Tape and Reel", Pins=4, Polarity=Positive, Quiescent Current=10mA, Reach SVHC Compliant=No, RoHS Compliant=No, Series=-, Termination=SMD/SMT
U602: library part CMP-019-00080-1, "LDO Regulator Pos 3.3V 0.8A 4-Pin(3+Tab) SOT-223 T/R / IC REG LDO 3.3V 0.8A SOT223", Case/Package=SOT-223, Current Rating=800A, Dropout Voltage=1.2V, Max Operating Temperature=125°C, Max Output current=800mA, Max Supply Voltage=10V, Min Input Voltage=2.6V, Min Operating Temperature=-40°C, Min Supply Voltage=4.75V, Nominal Output Voltage=3.3V, Output Voltage Accuracy=1%, Package Quantity=1000, Quiescent Current=15mA, Accuracy=1%, Height=1.6mm, Lead Free="Lead Free", Length=6.5mm, Min Current Limit=800mA, Mounting Technology="Surface Mount", Number of Channels=1, Number of Outputs=1, Number of Regulators=1, Output Current=800mA, Output Type=Fixed, Output Voltage=3.3V, Packaging="Tape and Reel", Pins=4, Polarity=Positive, Radiation Hardening=No, Reach SVHC Compliant=No, RoHS Compliant=Yes, Termination=SMD/SMT, Thickness=1.6mm, Width=3.56mm

## Free pads (board coordinates)
  round 0 hole 3.4 unplated: 2(110,55) 2(170,5) 2(170,55) 3(159,35) 4(118,35) 5(90,35) 6(45,33) 7(16.75,52) 8(16.75,5)

## Via types
v1: diameter 0.5, hole 0.3, Top Layer to Bottom Layer, 478 vias

## Nets (pads, with @x,y where several pads share a name; then routed paths per layer and width w, separated by ;. In a path a pad name is that pad's centre, name@x,y a point inside that pad or via, vN(x,y) a via of type N, cw(c..) or ccw(c..) an arc to the next point about the centre after c; other vN are vias at no path point)
3V3: C300.1 C301.2 C302.1 C305.1 C306.1 C605.2 C607.1 DISP800.1 R202_A.1 R202_B.1 R202_C.1 R202_D.1 R202_E.1 R202_F.1 R202_G.1 R206_A.2 R206_B.2 R206_C.2 R206_D.2 R206_E.2 R206_F.2 R206_G.2 R300.2 R301.2 R302.2 R303.2 R304.2 R305.2 R310.2 U300.3 U301.16 U302.5 U602.2 U602.4 | length 103.8
  Top Layer w0.254: v1(28.5,13.5) 28.547,13.547 29.047,13.547 29.377,13.877 29.477,13.877 29.75,14.15 R206_A.2@29.75,14.25 ; R202_A.1@40.5,25.25 v1(41.75,25.25) ; v1(48.5,13.5) 48.547,13.547 49.047,13.547 49.377,13.877 49.477,13.877 49.75,14.15 R206_B.2@49.75,14.25 ; R202_B.1@60.5,25.25 v1(61.75,25.25) ; v1(68.5,13.5) 68.547,13.547 69.047,13.547 69.377,13.877 69.477,13.877 69.75,14.15 R206_C.2@69.75,14.25 ; R202_C.1@80.5,25.25 v1(81.75,25.25) ; v1(88.5,13.5) 88.547,13.547 89.047,13.547 89.377,13.877 89.477,13.877 89.75,14.15 R206_D.2@89.75,14.25 ; R202_D.1@100.5,25.25 v1(101.75,25.25) ; U301.16@106.65,44.225 105.899,44.225 105.75,44.076 105.75,43.25 106,43 107.25,41.75 C302.1@107.273,41.75 107.25,41.773 v1(107.25,43) ; v1(108.5,13.5) 108.547,13.547 109.047,13.547 109.377,13.877 109.477,13.877 109.75,14.15 R206_E.2@109.75,14.25 ; v1(117,41) R304.2@115.75,41 114.75,41 114.25,41.5 114.25,43 115.25,44 116.5,44 117.25,44.75 v1(117.25,44.806) 117.25,46.932 118,47.682 118,48.75 116.373,50.377 116.373,50.477 116.175,50.675 R305.2@116.1,50.75 ; v1(117,51.5) 116.953,51.453 116.803,51.453 R305.2@116.1,50.75 ; R202_E.1@120.5,25.25 v1(121.75,25.25) ; C306.1@123.75,36.523 124.66,36.523 125.183,36 v1(125.25,36) 125.297,35.953 125.297,35.057 125.47,35.057 125.621,34.905 U302.5@126.136,34.905 ; v1(128.5,13.5) 128.547,13.547 129.047,13.547 129.377,13.877 129.477,13.877 129.75,14.15 R206_F.2@129.75,14.25 ; C300.1@130.85,49.727 132.477,49.727 133.15,50.4 C301.2@133.85,50.4 134.55,50.4 135.223,49.727 ; v1(133,44) 133.067,44 133.325,44.258 R303.2@134.329,44.258 ; v1(134,35) R301.2@135.25,35 ; v1(134,36.5) R302.2@135.25,36.5 ; C305.1@136.85,49.727 C305.1@136.85,49.75 ; R202_F.1@140.5,25.25 v1(141.75,25.25) ; v1(142.25,33) 142.25,32.213 R310.2@142.31,32.153 ; v1(148.5,13.5) 148.547,13.547 149.047,13.547 149.377,13.877 149.477,13.877 149.75,14.15 R206_G.2@149.75,14.25 ; v1(148.992,27.829) 148.992,28.992 R300.2@149,29 ; R202_G.1@160.5,25.25 v1(161.75,25.25) ; R305.2@116.1,50.75 R305.2@116,50.75 R305.2@116.1,50.75
  Top Layer w0.5: 135.223,49.727 C305.1@136.85,49.727 ; C305.1@136.85,49.75 138.35,51.25 U300.3@139.3,51.25
  Top Layer w1.27: C605.2@65.5,49.6 66.2,49.6 U602.2@68.165,47.635 ; U602.2@68.825,47.5 U602.4@75.175,47.5 75.5,47.825 75.5,51.5 v1(75,52) ; v1(73,52) 73.25,52.25 v1@79,52.25 ; v1(126,52) v1(127,52) v1(128,52) v1(129,52) 129.5,51.5 132.05,51.5 C301.2@133.135,50.415
  Int2 (PWR) w0.635: DISP800.1@34.825,57.325 35.061,57.325 35.395,57.659 35.395,57.894 36,58.5 48.25,58.5
  other v1: 74,52 76,52 77,52 78,52 79,52
5V: C307.1 C400_X.1 C400_Y.1 C401_X.1 C401_Y.1 C603.2 U302.3 U400_X.8 U400_Y.1 U400_Y.8 U601.2 U601.4 | length 115
  Top Layer w0.254: 80.954,45.204 C401_X.1@80.954,42.5 C400_X.1@83.246,42.5 83.246,42.473 82,41.227 U400_X.8@82,39.151 ; C401_Y.1@97.314,43.087 98.5,41.901 ; U400_Y.1@97.5,36.349 97.5,38.011 98.5,39.011 98.5,40.651 98.5,41.901 ; C400_Y.1@99.373,43.151 99.373,43.124 98.5,42.251 98.5,41.901
  Top Layer w0.508: 90.5,45 90.5,40.75 v1(94.5,36.75) ; C401_Y.1@97.477,43.25 97.477,45.523 97.25,45.75 99,45.75 99.373,45.377 C400_Y.1@99.373,43.151 ; v1(128.25,35.75) 128.25,35.455 130.07,33.635 U302.3@130.864,33.635 131.677,33.635 132.085,33.227 C307.1@134.25,33.227
  Top Layer w1.27: C603.2@65,38.9 65.015,38.915 68.74,38.915 U601.2@68.825,39 U601.4@75.175,39 75.565,39.39 75.565,41.065 79.5,45 80.75,45 ; 80.954,45 90.5,45 92.75,45 93.273,45.523 97.477,45.523
  Bottom Layer w0.508: v1(94.5,36.75) 96.25,35 114,35 116.563,37.563 cw(c117.998,31.483) 119.78,37.47 121.954,35.296 127.796,35.296 v1(128.25,35.75)